# Altium PCB 宠物机器人&导购机器人.PcbDoc (part 8 of 14)
Units mil, origin at the board's own origin, x right, y up, seen from the top; angles counter-clockwise.
Board outline 6899.61 x 2204.72 mil, 2 copper layers (Top Layer, Bottom Layer); 229 components, 218 nets, 23463 pads, 263 vias.
Unrouted connection lines stored in the file: 107.
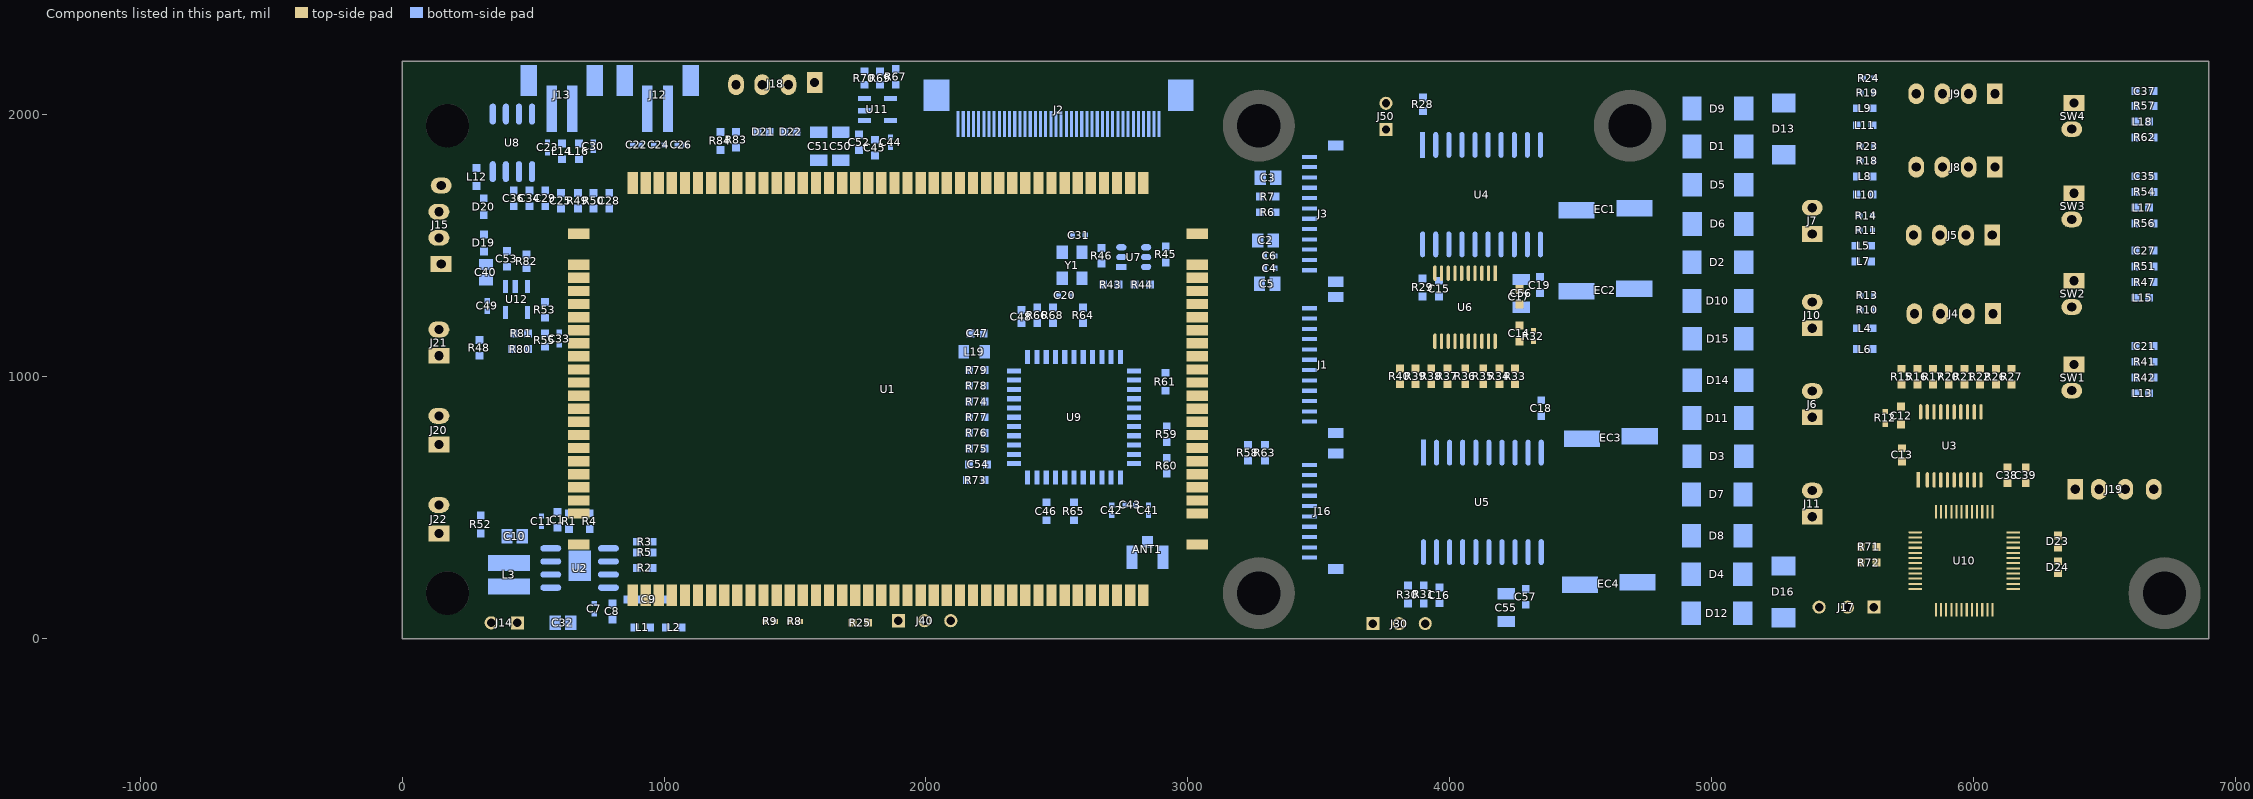
[diagram p8: the components of this part, seen from the top]

## Free pads (board coordinates) (continued)
  round 0.01 on Mech2: 1(-1218.35,-383.38) 1(-1218.35,-383.38) 1(-1218.35,-383.38) 1(-1218.34,-383.38) 1(-1218.34,-383.38) 1(-1218.34,-383.38) 1(-1218.23,-383.46) 1(-1218.23,-383.46) 1(-1218.23,-383.46) 1(-1218.18,-383.34) 1(-1218.18,-383.34) 1(-1218.18,-383.34) 1(-1218.18,-383.98) 1(-1218.18,-383.98) 1(-1218.18,-383.98) 1(-1218.18,-383.86) 1(-1218.18,-383.86) 1(-1218.18,-383.86) 1(-1218.18,-385.03) 1(-1218.18,-385.03) 1(-1218.18,-385.03) 1(-1218.18,-385.03) 1(-1218.18,-385.03) 1(-1218.18,-385.03) 1(-1218.18,-384.55) 1(-1218.18,-384.55) 1(-1218.18,-384.55) 1(-1218.18,-384.55) 1(-1218.18,-384.55) 1(-1218.18,-384.55) 1(-1218.17,-383.86) 1(-1218.17,-383.86) 1(-1218.17,-383.86) 1(-1218.17,-383.86) 1(-1218.17,-383.86) 1(-1218.17,-383.86) 1(-1218.16,-385.02) 1(-1218.16,-385.02) 1(-1218.16,-385.02) 1(-1218.16,-385.02) 1(-1218.16,-385.02) 1(-1218.16,-385.02) 1(-1218.16,-384.56) 1(-1218.16,-384.56) 1(-1218.16,-384.56) 1(-1218.16,-384.56) 1(-1218.16,-384.56) 1(-1218.16,-384.56) 1(-1218.15,-383.46) 1(-1218.15,-383.46) 1(-1218.15,-383.46) 1(-1218.15,-383.46) 1(-1218.15,-383.46) 1(-1218.15,-383.46) 1(-1218.14,-384.95) 1(-1218.14,-384.95) 1(-1218.14,-384.95) 1(-1218.14,-384.95) 1(-1218.14,-384.95) 1(-1218.14,-384.95) 1(-1218.14,-384.57) 1(-1218.14,-384.57) 1(-1218.14,-384.57) 1(-1218.14,-384.57) 1(-1218.14,-384.57) 1(-1218.14,-384.57) 1(-1218.14,-383.04) 1(-1218.14,-383.04) 1(-1218.14,-383.04) 1(-1218.14,-383.02) 1(-1218.14,-383.02) 1(-1218.14,-383.02) 1(-1218.14,-383.02) 1(-1218.14,-383.02) 1(-1218.14,-383.02) 1(-1218.14,-385.04) 1(-1218.14,-385.04) 1(-1218.14,-385.04) 1(-1218.14,-385.04) 1(-1218.14,-385.04) 1(-1218.14,-385.04) 1(-1218.14,-384.52) 1(-1218.14,-384.52) 1(-1218.14,-384.52) 1(-1218.14,-384.52) 1(-1218.14,-384.52) 1(-1218.14,-384.52) 1(-1218.14,-384.36) 1(-1218.14,-384.36) 1(-1218.14,-384.36) 1(-1218.14,-384.36) 1(-1218.14,-384.36) 1(-1218.14,-384.36) 1(-1218.14,-384.02) 1(-1218.14,-384.02) 1(-1218.14,-384.02) 1(-1218.14,-384.02) 1(-1218.14,-384.02) 1(-1218.14,-384.02) 1(-1218.13,-384.94) 1(-1218.13,-384.94) 1(-1218.13,-384.94) 1(-1218.13,-384.94) 1(-1218.13,-384.94) 1(-1218.13,-384.94) 1(-1218.13,-384.78) 1(-1218.13,-384.78) 1(-1218.13,-384.78) 1(-1218.13,-384.78) 1(-1218.13,-384.78) 1(-1218.13,-384.78) 1(-1218.13,-383.01) 1(-1218.13,-383.01) 1(-1218.13,-383.01) 1(-1218.13,-383.01) 1(-1218.13,-383.01) 1(-1218.13,-383.01) 1(-1218.12,-385.08) 1(-1218.12,-385.08) 1(-1218.12,-385.08) 1(-1218.12,-385.08) 1(-1218.12,-385.08) 1(-1218.12,-385.08) 1(-1218.12,-384.35) 1(-1218.12,-384.35) 1(-1218.12,-384.35) 1(-1218.12,-384.35) 1(-1218.12,-384.35) 1(-1218.12,-384.35) 1(-1218.12,-384.27) 1(-1218.12,-384.27) 1(-1218.12,-384.27) 1(-1218.12,-384.23) 1(-1218.12,-384.23) 1(-1218.12,-384.23) 1(-1218.12,-384.2) 1(-1218.12,-384.2) 1(-1218.12,-384.2) 1(-1218.12,-384.52) 1(-1218.12,-384.52) 1(-1218.12,-384.52) 1(-1218.12,-384.52) 1(-1218.12,-384.52) 1(-1218.12,-384.52) 1(-1218.12,-384.45) 1(-1218.12,-384.45) 1(-1218.12,-384.45) 1(-1218.12,-384.45) 1(-1218.12,-384.45) 1(-1218.12,-384.45) 1(-1218.12,-384.27) 1(-1218.12,-384.27) 1(-1218.12,-384.27) 1(-1218.12,-384.27) 1(-1218.12,-384.27) 1(-1218.12,-384.27) 1(-1218.12,-383.34) 1(-1218.12,-383.34) 1(-1218.12,-383.34) 1(-1218.12,-383.34) 1(-1218.12,-383.34) 1(-1218.12,-383.34) 1(-1218.12,-383.43) 1(-1218.12,-383.43) 1(-1218.12,-383.43) 1(-1218.12,-383.43) 1(-1218.12,-383.43) 1(-1218.12,-383.43) 1(-1218.12,-383.34) 1(-1218.12,-383.34) 1(-1218.12,-383.34) 1(-1218.12,-383.34) 1(-1218.12,-383.34) 1(-1218.12,-383.34) 1(-1218.12,-384.98) 1(-1218.12,-384.98) 1(-1218.12,-384.98) 1(-1218.12,-384.98) 1(-1218.12,-384.98) 1(-1218.12,-384.98) 1(-1218.11,-384.96) 1(-1218.11,-384.96) 1(-1218.11,-384.96) 1(-1218.11,-384.96) 1(-1218.11,-384.96) 1(-1218.11,-384.96) 1(-1218.11,-384.44) 1(-1218.11,-384.44) 1(-1218.11,-384.44) 1(-1218.11,-384.44) 1(-1218.11,-384.44) 1(-1218.11,-384.44) 1(-1218.11,-384.44) 1(-1218.11,-384.44) 1(-1218.11,-384.44) 1(-1218.11,-384.44) 1(-1218.11,-384.44) 1(-1218.11,-384.44) 1(-1218.11,-384.71) 1(-1218.11,-384.71) 1(-1218.11,-384.71) 1(-1218.11,-384.71) 1(-1218.11,-384.71) 1(-1218.11,-384.71) 1(-1218.11,-384.68) 1(-1218.11,-384.68) 1(-1218.11,-384.68) 1(-1218.11,-384.62) 1(-1218.11,-384.62) 1(-1218.11,-384.62) 1(-1218.1,-384.71) 1(-1218.1,-384.71) 1(-1218.1,-384.71) 1(-1218.1,-384.62) 1(-1218.1,-384.62) 1(-1218.1,-384.62) 1(-1218.1,-384.62) 1(-1218.1,-384.62) 1(-1218.1,-384.62) 1(-1218.1,-384.46) 1(-1218.1,-384.46) 1(-1218.1,-384.46) 1(-1218.1,-384.46) 1(-1218.1,-384.46) 1(-1218.1,-384.46) 1(-1218.1,-384.46) 1(-1218.1,-384.46) 1(-1218.1,-384.46) 1(-1218.1,-384.41) 1(-1218.1,-384.41) 1(-1218.1,-384.41) 1(-1218.1,-384.41) 1(-1218.1,-384.41) 1(-1218.1,-384.41) 1(-1218.1,-384.41) 1(-1218.1,-384.41) 1(-1218.1,-384.41) 1(-1218.1,-384.52) 1(-1218.1,-384.52) 1(-1218.1,-384.52) 1(-1218.1,-384.52) 1(-1218.1,-384.52) 1(-1218.1,-384.52) 1(-1218.09,-384.74) 1(-1218.09,-384.74) 1(-1218.09,-384.74) 1(-1218.09,-384.74) 1(-1218.09,-384.74) 1(-1218.09,-384.74) 1(-1218.07,-384.27) 1(-1218.07,-384.27) 1(-1218.07,-384.27) 1(-1218.07,-384.27) 1(-1218.07,-384.27) 1(-1218.07,-384.27) 1(-1218.07,-384.21) 1(-1218.07,-384.21) 1(-1218.07,-384.21) 1(-1218.07,-384.21) 1(-1218.07,-384.21) 1(-1218.07,-384.21) 1(-1218.07,-384.21) 1(-1218.07,-384.21) 1(-1218.07,-384.21) 1(-1218.06,-384.61) 1(-1218.06,-384.61) 1(-1218.06,-384.61) 1(-1218.06,-384.61) 1(-1218.06,-384.61) 1(-1218.06,-384.61) 1(-1218.06,-384.56) 1(-1218.06,-384.56) 1(-1218.06,-384.56) 1(-1218.06,-384.56) 1(-1218.06,-384.56) 1(-1218.06,-384.56) 1(-1218.06,-384.74) 1(-1218.06,-384.74) 1(-1218.06,-384.74) 1(-1218.06,-384.74) 1(-1218.06,-384.74) 1(-1218.06,-384.74) 1(-1218.06,-383.45) 1(-1218.06,-383.45) 1(-1218.06,-383.45) 1(-1218.06,-383.45) 1(-1218.06,-383.45) 1(-1218.06,-383.45) 1(-1218.06,-383.43) 1(-1218.06,-383.43) 1(-1218.06,-383.43) 1(-1218.05,-384.46) 1(-1218.05,-384.46) 1(-1218.05,-384.46) 1(-1218.05,-384.74) 1(-1218.05,-384.74) 1(-1218.05,-384.74) 1(-1218.05,-384.74) 1(-1218.05,-384.74) 1(-1218.05,-384.74) 1(-1218.05,-384.68) 1(-1218.05,-384.68) 1(-1218.05,-384.68) 1(-1218.05,-384.62) 1(-1218.05,-384.62) 1(-1218.05,-384.62) 1(-1218.05,-384.57) 1(-1218.05,-384.57) 1(-1218.05,-384.57) 1(-1218.05,-384.41) 1(-1218.05,-384.41) 1(-1218.05,-384.41) 1(-1218.05,-384.35) 1(-1218.05,-384.35) 1(-1218.05,-384.35) 1(-1218.05,-384.35) 1(-1218.05,-384.35) 1(-1218.05,-384.35) 1(-1218.03,-383.48) 1(-1218.03,-383.48) 1(-1218.03,-383.48) 1(-1218.03,-383.48) 1(-1218.03,-383.48) 1(-1218.03,-383.48) 1(-1218.02,-383.86) 1(-1218.02,-383.86) 1(-1218.02,-383.86) 1(-1218.02,-383.86) 1(-1218.02,-383.86) 1(-1218.02,-383.86) 1(-1218.01,-384.27) 1(-1218.01,-384.27) 1(-1218.01,-384.27) 1(-1218.01,-384.27) 1(-1218.01,-384.27) 1(-1218.01,-384.27) 1(-1218.01,-384.21) 1(-1218.01,-384.21) 1(-1218.01,-384.21) 1(-1218.01,-384.18) 1(-1218.01,-384.18) 1(-1218.01,-384.18) 1(-1218.01,-384.18) 1(-1218.01,-384.18) 1(-1218.01,-384.18) 1(-1218.01,-384.7) 1(-1218.01,-384.7) 1(-1218.01,-384.7) 1(-1218.01,-384.7) 1(-1218.01,-384.7) 1(-1218.01,-384.7) 1(-1218,-384.35) 1(-1218,-384.35) 1(-1218,-384.35) 1(-1218,-384.35) 1(-1218,-384.35) 1(-1218,-384.35) 1(-1218,-384.14) 1(-1218,-384.14) 1(-1218,-384.14) 1(-1218,-384.14) 1(-1218,-384.14) 1(-1218,-384.14) 1(-1218,-384.8) 1(-1218,-384.8) 1(-1218,-384.8) 1(-1218,-384.74) 1(-1218,-384.74) 1(-1218,-384.74) 1(-1218,-384.56) 1(-1218,-384.56) 1(-1218,-384.56) 1(-1218,-384.64) 1(-1218,-384.64) 1(-1218,-384.64) 1(-1218,-384.62) 1(-1218,-384.62) 1(-1218,-384.62) 1(-1218,-384.62) 1(-1218,-384.62) 1(-1218,-384.62) 1(-1218,-384.62) 1(-1218,-384.62) 1(-1218,-384.62) 1(-1218,-384.38) 1(-1218,-384.38) 1(-1218,-384.38) 1(-1218,-384.34) 1(-1218,-384.34) 1(-1218,-384.34) 1(-1218,-384.34) 1(-1218,-384.34) 1(-1218,-384.34) 1(-1217.99,-384.5) 1(-1217.99,-384.5) 1(-1217.99,-384.5) 1(-1217.99,-384.46) 1(-1217.99,-384.46) 1(-1217.99,-384.46) 1(-1217.99,-383.84) 1(-1217.99,-383.84) 1(-1217.99,-383.84) 1(-1217.99,-383.84) 1(-1217.99,-383.84) 1(-1217.99,-383.84) 1(-1217.99,-383.76) 1(-1217.99,-383.76) 1(-1217.99,-383.76) 1(-1217.99,-383.76) 1(-1217.99,-383.76) 1(-1217.99,-383.76) 1(-1217.99,-384.68) 1(-1217.99,-384.68) 1(-1217.99,-384.68) 1(-1217.99,-384.68) 1(-1217.99,-384.68) 1(-1217.99,-384.68) 1(-1217.99,-384.16) 1(-1217.99,-384.16) 1(-1217.99,-384.16) 1(-1217.99,-384.16) 1(-1217.99,-384.16) 1(-1217.99,-384.16) 1(-1217.99,-384.74) 1(-1217.99,-384.74) 1(-1217.99,-384.74) 1(-1217.99,-384.74) 1(-1217.99,-384.74) 1(-1217.99,-384.74) 1(-1217.99,-385.04) 1(-1217.99,-385.04) 1(-1217.99,-385.04) 1(-1217.99,-384.68) 1(-1217.99,-384.68) 1(-1217.99,-384.68) 1(-1217.99,-384.68) 1(-1217.99,-384.68) 1(-1217.99,-384.68) 1(-1217.98,-383.74) 1(-1217.98,-383.74) 1(-1217.98,-383.74) 1(-1217.98,-383.74) 1(-1217.98,-383.74) 1(-1217.98,-383.74) 1(-1217.97,-384.76) 1(-1217.97,-384.76) 1(-1217.97,-384.76) 1(-1217.97,-384.76) 1(-1217.97,-384.76) 1(-1217.97,-384.76) 1(-1217.97,-384.41) 1(-1217.97,-384.41) 1(-1217.97,-384.41) 1(-1217.97,-384.41) 1(-1217.97,-384.41) 1(-1217.97,-384.41) 1(-1217.96,-384.34) 1(-1217.96,-384.34) 1(-1217.96,-384.34) 1(-1217.96,-384.34) 1(-1217.96,-384.34) 1(-1217.96,-384.34) 1(-1217.96,-384.06) 1(-1217.96,-384.06) 1(-1217.96,-384.06) 1(-1217.96,-384.68) 1(-1217.96,-384.68) 1(-1217.96,-384.68) 1(-1217.96,-384.68) 1(-1217.96,-384.68) 1(-1217.96,-384.68) 1(-1217.96,-384.84) 1(-1217.96,-384.84) 1(-1217.96,-384.84) 1(-1217.96,-384.84) 1(-1217.96,-384.84) 1(-1217.96,-384.84) 1(-1217.96,-384.27) 1(-1217.96,-384.27) 1(-1217.96,-384.27) 1(-1217.96,-384.27) 1(-1217.96,-384.27) 1(-1217.96,-384.27) 1(-1217.95,-384.68) 1(-1217.95,-384.68) 1(-1217.95,-384.68) 1(-1217.95,-384.5) 1(-1217.95,-384.5) 1(-1217.95,-384.5) 1(-1217.95,-384.5) 1(-1217.95,-384.5) 1(-1217.95,-384.5) 1(-1217.95,-384.5) 1(-1217.95,-384.5) 1(-1217.95,-384.5) 1(-1217.95,-384.56) 1(-1217.95,-384.56) 1(-1217.95,-384.56) 1(-1217.95,-384.62) 1(-1217.95,-384.62) 1(-1217.95,-384.62) 1(-1217.95,-384.62) 1(-1217.95,-384.62) 1(-1217.95,-384.62) 1(-1217.95,-384.41) 1(-1217.95,-384.41) 1(-1217.95,-384.41) 1(-1217.95,-383.81) 1(-1217.95,-383.81) 1(-1217.95,-383.81) 1(-1217.95,-384.62) 1(-1217.95,-384.62) 1(-1217.95,-384.62) 1(-1217.95,-384.36) 1(-1217.95,-384.36) 1(-1217.95,-384.36) 1(-1217.95,-385.04) 1(-1217.95,-385.04) 1(-1217.95,-385.04) 1(-1217.95,-385) 1(-1217.95,-385) 1(-1217.95,-385) 1(-1217.95,-385) 1(-1217.95,-385) 1(-1217.95,-385) 1(-1217.95,-384.7) 1(-1217.95,-384.7) 1(-1217.95,-384.7) 1(-1217.95,-384.7) 1(-1217.95,-384.7) 1(-1217.95,-384.7) 1(-1217.95,-384.76) 1(-1217.95,-384.76) 1(-1217.95,-384.76) 1(-1217.95,-384.76) 1(-1217.95,-384.76) 1(-1217.95,-384.76) 1(-1217.94,-385) 1(-1217.94,-385) 1(-1217.94,-385) 1(-1217.94,-385) 1(-1217.94,-385) 1(-1217.94,-385) 1(-1217.93,-383.83) 1(-1217.93,-383.83) 1(-1217.93,-383.83) 1(-1217.93,-383.83) 1(-1217.93,-383.83) 1(-1217.93,-383.83) 1(-1217.92,-384.84) 1(-1217.92,-384.84) 1(-1217.92,-384.84) 1(-1217.92,-384.84) 1(-1217.92,-384.84) 1(-1217.92,-384.84) 1(-1217.92,-384.68) 1(-1217.92,-384.68) 1(-1217.92,-384.68) 1(-1217.92,-384.68) 1(-1217.92,-384.68) 1(-1217.92,-384.68) 1(-1217.92,-384.62) 1(-1217.92,-384.62) 1(-1217.92,-384.62) 1(-1217.92,-384.36) 1(-1217.92,-384.36) 1(-1217.92,-384.36) 1(-1217.92,-384.3) 1(-1217.92,-384.3) 1(-1217.92,-384.3) 1(-1217.92,-384.3) 1(-1217.92,-384.3) 1(-1217.92,-384.3) 1(-1217.92,-384.06) 1(-1217.92,-384.06) 1(-1217.92,-384.06) 1(-1217.92,-384.09) 1(-1217.92,-384.09) 1(-1217.92,-384.09) 1(-1217.92,-384.09) 1(-1217.92,-384.09) 1(-1217.92,-384.09) 1(-1217.92,-384.07) 1(-1217.92,-384.07) 1(-1217.92,-384.07) 1(-1217.92,-384.8) 1(-1217.92,-384.8) 1(-1217.92,-384.8) 1(-1217.92,-385.08) 1(-1217.92,-385.08) 1(-1217.92,-385.08) 1(-1217.92,-385.08) 1(-1217.92,-385.08) 1(-1217.92,-385.08) 1(-1217.92,-384.8) 1(-1217.92,-384.8) 1(-1217.92,-384.8) 1(-1217.91,-384.52) 1(-1217.91,-384.52) 1(-1217.91,-384.52) 1(-1217.91,-384.52) 1(-1217.91,-384.52) 1(-1217.91,-384.52) 1(-1217.91,-383.76) 1(-1217.91,-383.76) 1(-1217.91,-383.76) 1(-1217.91,-385) 1(-1217.91,-385) 1(-1217.91,-385) 1(-1217.91,-385) 1(-1217.91,-385) 1(-1217.91,-385) 1(-1217.91,-385.07) 1(-1217.91,-385.07) 1(-1217.91,-385.07) 1(-1217.91,-385.07) 1(-1217.91,-385.07) 1(-1217.91,-385.07) 1(-1217.91,-385.04) 1(-1217.91,-385.04) 1(-1217.91,-385.04) 1(-1217.9,-384.26) 1(-1217.9,-384.26) 1(-1217.9,-384.26) 1(-1217.9,-384.26) 1(-1217.9,-384.26) 1(-1217.9,-384.26) 1(-1217.9,-384.24) 1(-1217.9,-384.24) 1(-1217.9,-384.24) 1(-1217.9,-384.11) 1(-1217.9,-384.11) 1(-1217.9,-384.11) 1(-1217.9,-384.11) 1(-1217.9,-384.11) 1(-1217.9,-384.11) 1(-1217.9,-384.82) 1(-1217.9,-384.82) 1(-1217.9,-384.82) 1(-1217.9,-384.8) 1(-1217.9,-384.8) 1(-1217.9,-384.8) 1(-1217.9,-384.76) 1(-1217.9,-384.76) 1(-1217.9,-384.76) 1(-1217.9,-384.44) 1(-1217.9,-384.44) 1(-1217.9,-384.44) 1(-1217.9,-384.44) 1(-1217.9,-384.44) 1(-1217.9,-384.44) 1(-1217.9,-384.46) 1(-1217.9,-384.46) 1(-1217.9,-384.46) 1(-1217.9,-384.46) 1(-1217.9,-384.46) 1(-1217.9,-384.46) 1(-1217.9,-384.71) 1(-1217.9,-384.71) 1(-1217.9,-384.71) 1(-1217.9,-384.71) 1(-1217.9,-384.71) 1(-1217.9,-384.71) 1(-1217.9,-384.62) 1(-1217.9,-384.62) 1(-1217.9,-384.62) 1(-1217.9,-384.44) 1(-1217.9,-384.44) 1(-1217.9,-384.44) 1(-1217.9,-384.44) 1(-1217.9,-384.44) 1(-1217.9,-384.44) 1(-1217.9,-384.44) 1(-1217.9,-384.44) 1(-1217.9,-384.44) 1(-1217.9,-384.27) 1(-1217.9,-384.27) 1(-1217.9,-384.27) 1(-1217.9,-384.27) 1(-1217.9,-384.27) 1(-1217.9,-384.27) 1(-1217.89,-383.79) 1(-1217.89,-383.79) 1(-1217.89,-383.79) 1(-1217.89,-383.79) 1(-1217.89,-383.79) 1(-1217.89,-383.79) 1(-1217.88,-385) 1(-1217.88,-385) 1(-1217.88,-385) 1(-1217.88,-385) 1(-1217.88,-385) 1(-1217.88,-385) 1(-1217.88,-383.74) 1(-1217.88,-383.74) 1(-1217.88,-383.74) 1(-1217.88,-383.74) 1(-1217.88,-383.74) 1(-1217.88,-383.74) 1(-1217.87,-384.73) 1(-1217.87,-384.73) 1(-1217.87,-384.73) 1(-1217.87,-384.73) 1(-1217.87,-384.73) 1(-1217.87,-384.73) 1(-1217.87,-383.76) 1(-1217.87,-383.76) 1(-1217.87,-383.76) 1(-1217.87,-383.45) 1(-1217.87,-383.45) 1(-1217.87,-383.45) 1(-1217.87,-383.45) 1(-1217.87,-383.45) 1(-1217.87,-383.45) 1(-1217.87,-383.43) 1(-1217.87,-383.43) 1(-1217.87,-383.43) 1(-1217.87,-384.71) 1(-1217.87,-384.71) 1(-1217.87,-384.71) 1(-1217.87,-384.71) 1(-1217.87,-384.71) 1(-1217.87,-384.71) 1(-1217.87,-384.56) 1(-1217.87,-384.56) 1(-1217.87,-384.56) 1(-1217.87,-384.56) 1(-1217.87,-384.56) 1(-1217.87,-384.56) 1(-1217.87,-384.44) 1(-1217.87,-384.44) 1(-1217.87,-384.44) 1(-1217.87,-384.44) 1(-1217.87,-384.44) 1(-1217.87,-384.44) 1(-1217.87,-384.28) 1(-1217.87,-384.28) 1(-1217.87,-384.28) 1(-1217.87,-384.28) 1(-1217.87,-384.28) 1(-1217.87,-384.28) 1(-1217.87,-385.04) 1(-1217.87,-385.04) 1(-1217.87,-385.04) 1(-1217.87,-385.01) 1(-1217.87,-385.01) 1(-1217.87,-385.01) 1(-1217.87,-385.01) 1(-1217.87,-385.01) 1(-1217.87,-385.01) 1(-1217.87,-383.48) 1(-1217.87,-383.48) 1(-1217.87,-383.48) 1(-1217.87,-383.48) 1(-1217.87,-383.48) 1(-1217.87,-383.48) 1(-1217.87,-384.02) 1(-1217.87,-384.02) 1(-1217.87,-384.02) 1(-1217.87,-384.02) 1(-1217.87,-384.02) 1(-1217.87,-384.02) 1(-1217.86,-384.07) 1(-1217.86,-384.07) 1(-1217.86,-384.07) 1(-1217.86,-384.26) 1(-1217.86,-384.26) 1(-1217.86,-384.26) 1(-1217.86,-384.26) 1(-1217.86,-384.26) 1(-1217.86,-384.26) 1(-1217.86,-384.24) 1(-1217.86,-384.24) 1(-1217.86,-384.24) 1(-1217.86,-384.24) 1(-1217.86,-384.24) 1(-1217.86,-384.24) 1(-1217.85,-384.98) 1(-1217.85,-384.98) 1(-1217.85,-384.98) 1(-1217.85,-384.98) 1(-1217.85,-384.98) 1(-1217.85,-384.98) 1(-1217.85,-383.09) 1(-1217.85,-383.09) 1(-1217.85,-383.09) 1(-1217.85,-383.09) 1(-1217.85,-383.09) 1(-1217.85,-383.09) 1(-1217.85,-383.04) 1(-1217.85,-383.04) 1(-1217.85,-383.04) 1(-1217.85,-383.81) 1(-1217.85,-383.81) 1(-1217.85,-383.81) 1(-1217.85,-383.71) 1(-1217.85,-383.71) 1(-1217.85,-383.71) 1(-1217.85,-384.73) 1(-1217.85,-384.73) 1(-1217.85,-384.73) 1(-1217.85,-384.73) 1(-1217.85,-384.73) 1(-1217.85,-384.73) 1(-1217.85,-384.67) 1(-1217.85,-384.67) 1(-1217.85,-384.67) 1(-1217.85,-384.67) 1(-1217.85,-384.67) 1(-1217.85,-384.67) 1(-1217.85,-384.67) 1(-1217.85,-384.67) 1(-1217.85,-384.67) 1(-1217.85,-384.51) 1(-1217.85,-384.51) 1(-1217.85,-384.51) 1(-1217.85,-384.51) 1(-1217.85,-384.51) 1(-1217.85,-384.51) 1(-1217.85,-384.36) 1(-1217.85,-384.36) 1(-1217.85,-384.36) 1(-1217.85,-384.31) 1(-1217.85,-384.31) 1(-1217.85,-384.31) 1(-1217.85,-384.31) 1(-1217.85,-384.31) 1(-1217.85,-384.31) 1(-1217.85,-384.31) 1(-1217.85,-384.31) 1(-1217.85,-384.31) 1(-1217.84,-383.76) 1(-1217.84,-383.76) 1(-1217.84,-383.76) 1(-1217.84,-383.76) 1(-1217.84,-383.76) 1(-1217.84,-383.76) 1(-1217.84,-383.76) 1(-1217.84,-383.76) 1(-1217.84,-383.76) 1(-1217.84,-383.01) 1(-1217.84,-383.01) 1(-1217.84,-383.01) 1(-1217.84,-383.01) 1(-1217.84,-383.01) 1(-1217.84,-383.01) 1(-1217.83,-384.27) 1(-1217.83,-384.27) 1(-1217.83,-384.27) 1(-1217.83,-384.27) 1(-1217.83,-384.27) 1(-1217.83,-384.27) 1(-1217.83,-383.17) 1(-1217.83,-383.17) 1(-1217.83,-383.17) 1(-1217.83,-383.11) 1(-1217.83,-383.11) 1(-1217.83,-383.11) 1(-1217.83,-385.04) 1(-1217.83,-385.04) 1(-1217.83,-385.04) 1(-1217.83,-385) 1(-1217.83,-385) 1(-1217.83,-385) 1(-1217.83,-385) 1(-1217.83,-385) 1(-1217.83,-385) 1(-1217.83,-384.84) 1(-1217.83,-384.84) 1(-1217.83,-384.84) 1(-1217.83,-384.84) 1(-1217.83,-384.84) 1(-1217.83,-384.84) 1(-1217.83,-383.79) 1(-1217.83,-383.79) 1(-1217.83,-383.79) 1(-1217.83,-383.79) 1(-1217.83,-383.79) 1(-1217.83,-383.79) 1(-1217.83,-384.11) 1(-1217.83,-384.11) 1(-1217.83,-384.11) 1(-1217.83,-384.11) 1(-1217.83,-384.11) 1(-1217.83,-384.11) 1(-1217.83,-383.52) 1(-1217.83,-383.52) 1(-1217.83,-383.52) 1(-1217.83,-383.52) 1(-1217.83,-383.52) 1(-1217.83,-383.52) 1(-1217.83,-384.07) 1(-1217.83,-384.07) 1(-1217.83,-384.07) 1(-1217.83,-384.07) 1(-1217.83,-384.07) 1(-1217.83,-384.07) 1(-1217.83,-384.07) 1(-1217.83,-384.07) 1(-1217.83,-384.07) 1(-1217.82,-383.81) 1(-1217.82,-383.81) 1(-1217.82,-383.81) 1(-1217.82,-383.81) 1(-1217.82,-383.81) 1(-1217.82,-383.81) 1(-1217.82,-383.97) 1(-1217.82,-383.97) 1(-1217.82,-383.97) 1(-1217.82,-383.97) 1(-1217.82,-383.97) 1(-1217.82,-383.97) 1(-1217.82,-383.07) 1(-1217.82,-383.07) 1(-1217.82,-383.07) 1(-1217.82,-383.07) 1(-1217.82,-383.07) 1(-1217.82,-383.07) 1(-1217.82,-383.02) 1(-1217.82,-383.02) 1(-1217.82,-383.02) 1(-1217.82,-383.02) 1(-1217.82,-383.02) 1(-1217.82,-383.02) 1(-1217.82,-384.7) 1(-1217.82,-384.7) 1(-1217.82,-384.7) 1(-1217.82,-384.7) 1(-1217.82,-384.7) 1(-1217.82,-384.7) 1(-1217.82,-384.58) 1(-1217.82,-384.58) 1(-1217.82,-384.58) 1(-1217.82,-384.58) 1(-1217.82,-384.58) 1(-1217.82,-384.58) 1(-1217.82,-384.41) 1(-1217.82,-384.41) 1(-1217.82,-384.41) 1(-1217.82,-384.41) 1(-1217.82,-384.41) 1(-1217.82,-384.41) 1(-1217.82,-384.36) 1(-1217.82,-384.36) 1(-1217.82,-384.36) 1(-1217.82,-383.5) 1(-1217.82,-383.5) 1(-1217.82,-383.5) 1(-1217.82,-383.5) 1(-1217.82,-383.5) 1(-1217.82,-383.5) 1(-1217.81,-384.82) 1(-1217.81,-384.82) 1(-1217.81,-384.82) 1(-1217.81,-384.82) 1(-1217.81,-384.82) 1(-1217.81,-384.82) 1(-1217.81,-384.5) 1(-1217.81,-384.5) 1(-1217.81,-384.5) 1(-1217.81,-384.5) 1(-1217.81,-384.5) 1(-1217.81,-384.5) 1(-1217.81,-383.83) 1(-1217.81,-383.83) 1(-1217.81,-383.83) 1(-1217.81,-383.83) 1(-1217.81,-383.83) 1(-1217.81,-383.83) 1(-1217.81,-384.27) 1(-1217.81,-384.27) 1(-1217.81,-384.27) 1(-1217.81,-384.21) 1(-1217.81,-384.21) 1(-1217.81,-384.21) 1(-1217.81,-384.19) 1(-1217.81,-384.19) 1(-1217.81,-384.19) 1(-1217.81,-384.14) 1(-1217.81,-384.14) 1(-1217.81,-384.14) 1(-1217.8,-384.09) 1(-1217.8,-384.09) 1(-1217.8,-384.09) 1(-1217.8,-384.09) 1(-1217.8,-384.09) 1(-1217.8,-384.09) 1(-1217.8,-384.01) 1(-1217.8,-384.01) 1(-1217.8,-384.01) 1(-1217.8,-384.01) 1(-1217.8,-384.01) 1(-1217.8,-384.01) 1(-1217.8,-384.53) 1(-1217.8,-384.53) 1(-1217.8,-384.53) 1(-1217.8,-384.53) 1(-1217.8,-384.53) 1(-1217.8,-384.53) 1(-1217.8,-383.76) 1(-1217.8,-383.76) 1(-1217.8,-383.76) 1(-1217.8,-383.76) 1(-1217.8,-383.76) 1(-1217.8,-383.76) 1(-1217.8,-384.47) 1(-1217.8,-384.47) 1(-1217.8,-384.47) 1(-1217.8,-384.56) 1(-1217.8,-384.56) 1(-1217.8,-384.56) 1(-1217.8,-384.56) 1(-1217.8,-384.56) 1(-1217.8,-384.56) 1(-1217.8,-384.47) 1(-1217.8,-384.47) 1(-1217.8,-384.47) 1(-1217.8,-384.47) 1(-1217.8,-384.47) 1(-1217.8,-384.47) 